# KiCad board FluOpti_V3.0.kicad_pcb (continued)
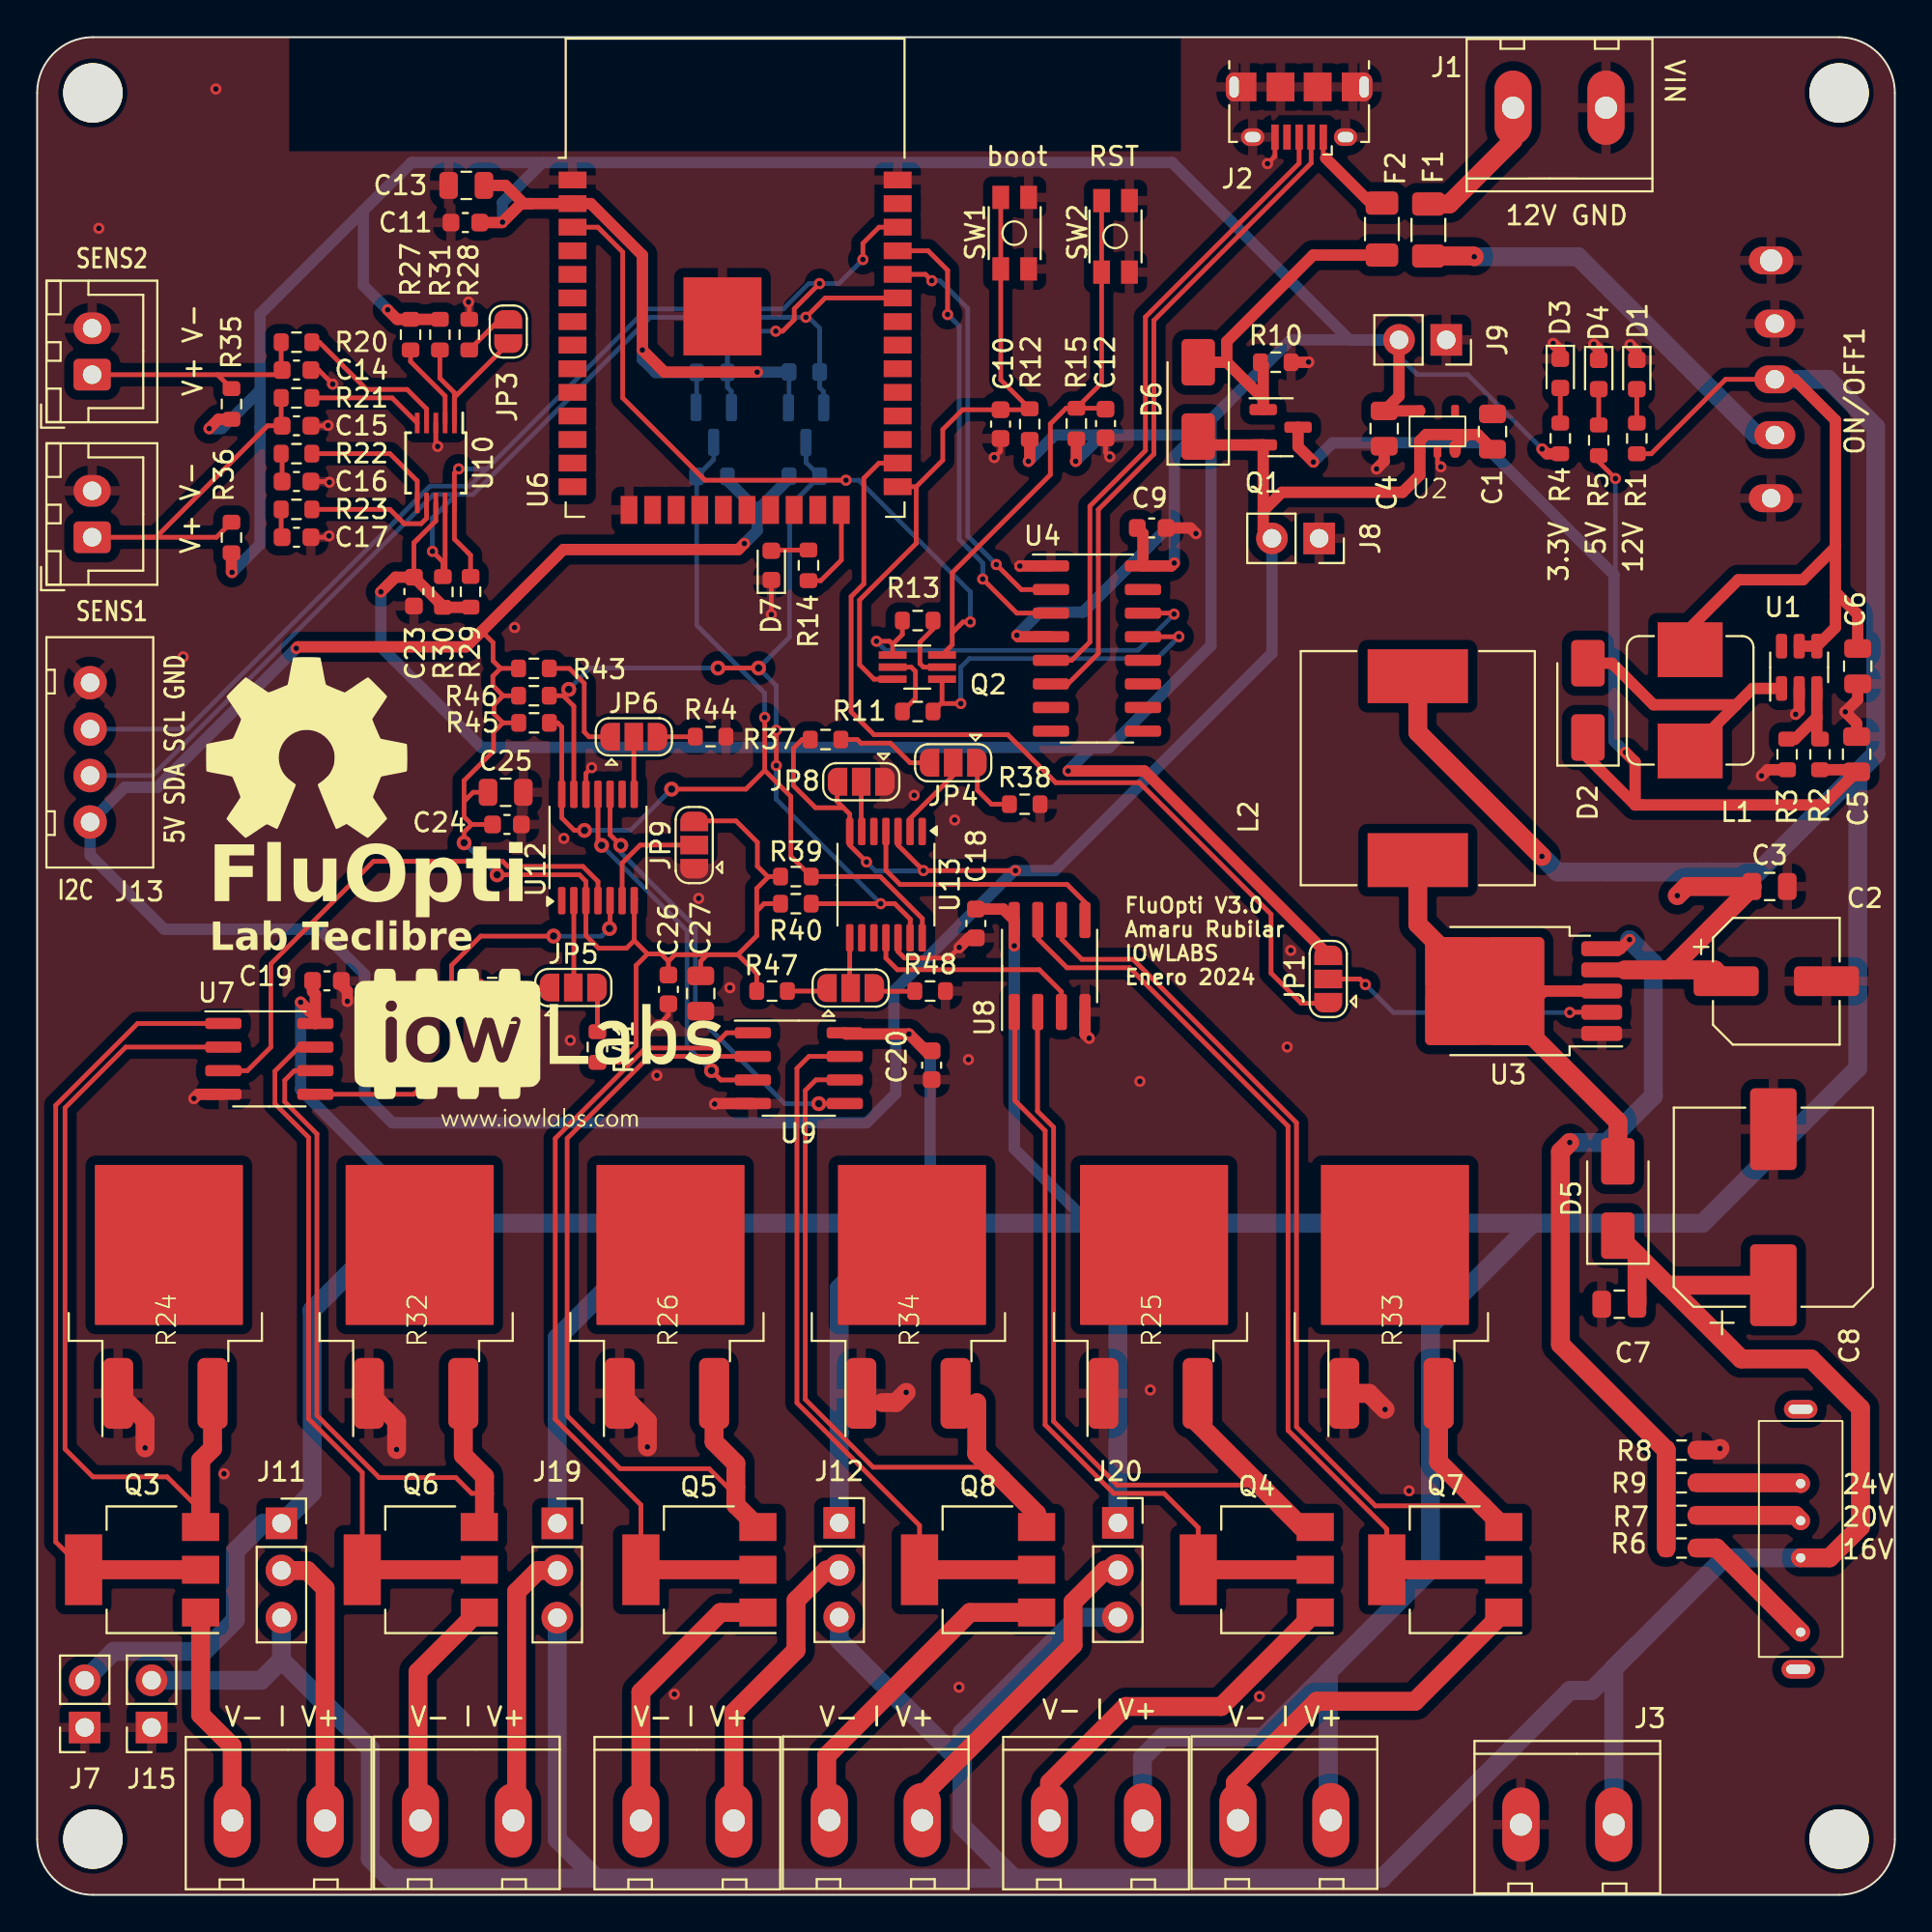
[diagram p0: board, top side]
## Footprints (pads in the part's own frame, mm; a bottom-side part is the same pattern mirrored in y, then rotated)
C_0603_1608Metric
  rrect 0.9x0.95 smd: 1(-0.775,0) 2(0.775,0)
C_0805_2012Metric
  rrect 1x1.45 smd: 1(-0.95,0) 2(0.95,0)
CP_Elec_6.3x7.7
  rrect 3.5x1.6 smd: 1(-2.7,0) 2(2.7,0)
CP_Elec_10x10.5
  rrect 4.4x2.5 smd: 1(-4.2,0) 2(4.2,0)
D2PAK
  rrect 3.81x1.62 smd: 1(-3.94,3.11) 2(-3.94,-1.97)
D_SMA
  rrect 2.5x1.8 smd: 1(-2,0) 2(2,0)
ESP32-WROOM-32
  rect 1.5x0.9 smd: 1(-8.75,8.25) 2(-8.75,6.98) 3(-8.75,5.71) 4(-8.75,4.44) 5(-8.75,3.17) 6(-8.75,1.9) 7(-8.75,0.63) 8(-8.75,-0.64) 9(-8.75,-1.91) 10(-8.75,-3.18) 11(-8.75,-4.45) 12(-8.75,-5.72) 13(-8.75,-6.99) 14(-8.75,-8.26) 25(8.75,-8.26) 26(8.75,-6.99) 27(8.75,-5.72) 28(8.75,-4.45) 29(8.75,-3.18) 30(8.75,-1.91) 31(8.75,-0.64) 32(8.75,0.63) 33(8.75,1.9) 34(8.75,3.17) 35(8.75,4.44) 36(8.75,5.71) 37(8.75,6.98) 38(8.75,8.25)
  rect 0.9x1.5 smd: 15(-5.71,-9.51) 16(-4.44,-9.51) 17(-3.17,-9.51) 18(-1.9,-9.51) 19(-0.63,-9.51) 20(0.64,-9.51) 21(1.91,-9.51) 22(3.18,-9.51) 23(4.45,-9.51) 24(5.72,-9.51)
  rect 1.05x1.05 smd: 39(-2.205,2.435) 39(-2.205,0.91) 39(-2.205,-0.615) 39(-0.68,2.435) 39(-0.68,0.91) 39(-0.68,-0.615) 39(0.845,2.435) 39(0.845,0.91) 39(0.845,-0.615)
  rect 4.2x4.2 smd: 39(-0.68,0.91)
Fuse_1206_3216Metric
  rrect 1.25x1.75 smd: 1(-1.4,0) 2(1.4,0)
JST-XH-4x1-2.5P-TH-V
  round 1.8 hole 1: 1(-3.75,0) 2(-1.25,0) 3(1.25,0) 4(3.75,0)
JST_XH_B2B-XH-A_1x02_P2.50mm_Vertical
  rrect 1.7x2 hole 1: 1(0,0)
  oval 1.7x2 hole 1: 2(2.5,0)
L_12x12mm_H8mm
  rect 2.9x5.4 smd: 1(-4.95,0) 2(4.95,0)
L_Bourns_SRP7028A_7.3x6.6mm
  rect 2.95x3.5 smd: 1(-2.725,0) 2(2.725,0)
LED_0603_1608Metric
  rrect 0.875x0.95 smd: 1(-0.787,0) 2(0.787,0)
MountingHole_3.2mm_M3
  round 3.2 hole 3.2 unplated: (0,0)
PinSocket_1x02_P2.54mm_Vertical
  rect 1.7x1.7 hole 1: 1(0,0)
  oval 1.7x1.7 hole 1: 2(0,-2.54)
PinSocket_1x03_P2.54mm_Vertical
  rect 1.7x1.7 hole 1: 1(0,0)
  oval 1.7x1.7 hole 1: 2(0,-2.54) 3(0,-5.08)
R_0603_1608Metric
  rrect 0.8x0.95 smd: 1(-0.825,0) 2(0.825,0)
SMD_SWITCH
  rect 1.25x0.9 smd: 1(-1.925,-0.75) 2(1.925,-0.75) 3(-1.925,0.75) 4(1.925,0.75)
SOIC-8_3.9x4.9mm_P1.27mm
  rrect 1.95x0.6 smd: 1(-2.475,1.905) 2(-2.475,0.635) 3(-2.475,-0.635) 4(-2.475,-1.905) 5(2.475,-1.905) 6(2.475,-0.635) 7(2.475,0.635) 8(2.475,1.905)
SOIC-16_3.9x9.9mm_P1.27mm
  rrect 1.95x0.6 smd: 1(-2.475,4.445) 2(-2.475,3.175) 3(-2.475,1.905) 4(-2.475,0.635) 5(-2.475,-0.635) 6(-2.475,-1.905) 7(-2.475,-3.175) 8(-2.475,-4.445) 9(2.475,-4.445) 10(2.475,-3.175) 11(2.475,-1.905) 12(2.475,-0.635) 13(2.475,0.635) 14(2.475,1.905) 15(2.475,3.175) 16(2.475,4.445)
SolderJumper-2_P1.3mm_Open_RoundedPad1.0x1.5mm
  custom 1x1.5 smd: 1(-0.65,0) 2(0.65,0)
SolderJumper-3_P1.3mm_Open_RoundedPad1.0x1.5mm
  custom 1.05x1.5 smd: 1(-1.3,0) 3(1.3,0)
  rect 1x1.5 smd: 2(0,0)
SOT-23
  rrect 1.475x0.6 smd: 1(-0.938,0.95) 2(-0.938,-0.95) 3(0.938,0)
SOT-23-6
  rrect 1.325x0.6 smd: 1(-1.137,0.95) 2(-1.137,0) 3(-1.137,-0.95) 4(1.137,-0.95) 5(1.137,0) 6(1.137,0.95)
SOT-25
  rrect 0.42x0.62 smd: 1(0.95,1.1) 2(0,1.1) 3(-0.95,1.1) 5(0.95,-1.1)
  rrect 0.42x0.65 smd: 4(-0.95,-1.1)
SOT-223-3_TabPin2
  rect 2x1.5 smd: 1(-3.15,2.3) 2(-3.15,0) 3(-3.15,-2.3)
  rect 2x3.8 smd: 2(3.15,0)
SOT-363_SC-70-6_Handsoldering
  rect 1.5x0.4 smd: 1(-1.33,0.65) 2(-1.33,0) 3(-1.33,-0.65) 4(1.33,-0.65) 5(1.33,0) 6(1.33,0.65)
SS-12F23-G040
  oval 1.5x2.2 hole 1: 1(-3,0) 2(0,0) 3(3,0)
  oval 1.5x2.4 hole 1.2: 4(-6.4,-0.2)
  oval 1.5x2.4 hole 1: 4(6.4,-0.2)
Switch SP3T SS13D07L2B
  round 1 hole 0.5: 1(-4,0) 2(0,0) 3(2,0) 4(4,0)
  oval 1x1.8 hole 0.5x1.3: 5(-6,0.127) 6(8,0)
Tb-2x1-5p-TH-V
  oval 2x4 hole 1.2: 1(-2.5,0) 2(2.5,0)
TO-252-5_TabPin6
  rrect 2.2x0.8 smd: 1(-5.04,2.28) 2(-5.04,1.14) 3(-5.04,0) 4(-5.04,-1.14) 5(-5.04,-2.28)
  rrect 3.05x2.75 smd: 6(-0.415,1.525) 6(-0.415,-1.525) 6(2.935,1.525) 6(2.935,-1.525)
  rrect 6.4x5.8 smd: 6(1.26,0)
TSSOP-10_3x3mm_P0.5mm
  rect 1.1x0.25 smd: 1(-2.15,1) 2(-2.15,0.5) 3(-2.15,0) 4(-2.15,-0.5) 5(-2.15,-1) 6(2.15,-1) 7(2.15,-0.5) 8(2.15,0) 9(2.15,0.5) 10(2.15,1)
TSSOP-14_4.4x5mm_P0.65mm
  rrect 1.475x0.4 smd: 1(-2.862,1.95) 2(-2.862,1.3) 3(-2.862,0.65) 4(-2.862,0) 5(-2.862,-0.65) 6(-2.862,-1.3) 7(-2.862,-1.95) 8(2.862,-1.95) 9(2.862,-1.3) 10(2.862,-0.65) 11(2.862,0) 12(2.862,0.65) 13(2.862,1.3) 14(2.862,1.95)
USB_Micro-B_Amphenol_10118194_Horizontal
  oval 0.89x1.55 smd: (-3.5,-1.3) (3.5,-1.3)
  oval 1.25x0.95 smd: (-2.5,1.4) (2.5,1.4)
  rect 0.4x1.35 smd: 1(-1.3,1.4) 2(-0.65,1.4) 3(0,1.4) 4(0.65,1.4) 5(1.3,1.4)
  oval 0.89x1.55 hole 0.5x1.15: 6(-3.5,-1.3) 6(3.5,-1.3)
  rect 1.2x1.55 smd: 6(-2.9,-1.3) 6(2.9,-1.3)
  oval 1.25x0.95 hole 0.85x0.55: 6(-2.5,1.4) 6(2.5,1.4)
  rect 1.5x1.55 smd: 6(-1,-1.3) 6(1,-1.3)

## Nets
3.3V: C4.1 C9.1 C11.1 C13.1 C23.1 J9.2 JP1.3 Q9.1 Q10.1 R4.2 R12.1 R15.1 R27.2 R29.2 R30.2 R31.2 R35.2 R36.2 R49.1 R51.1 U2.5 U4.4 U4.16 U6.2 U10.8
5V: C1.1 C24.1 C25.1 C26.1 C27.1 D6.1 J8.2 J13.4 JP8.3 JP9.3 Q1.2 R37.2 R39.2 R40.2 R41.2 R43.2 R45.2 R46.2 R47.2 R50.1 R52.1 U2.1 U2.3 U12.3 U12.7 U13.3 U13.7
5V_IN: C5.1 D2.1 Q1.3 R2.1 R5.1
16V: R6.2 U5.1
20V: R7.2 U5.3
24V: R9.2 U5.4
+12V: C2.1 C3.1 C6.1 C18.1 C19.1 C20.1 J6.1 J7.2 J11.1 J12.1 J18.1 J19.1 J20.1 L1.1 L2.1 ON/OFF1.2 R1.2 U1.4 U1.5 U3.4 U7.8 U8.8 U9.8
GND: C1.2 C2.2 C3.2 C4.2 C5.2 C6.2 C7.2 C8.2 C9.2 C10.2 C11.2 C12.2 C13.2 C14.2 C15.2 C16.2 C17.2 C18.2 C19.2 C20.2 C23.2 C24.2 C25.2 C26.2 C27.2 D1.1 D3.1 D4.1 D7.1 J1.2 J2.5 J2.6 J3.2 J4.2 J7.1 J8.1 J9.1 J13.1 J14.2 J15.1 JP8.1 JP9.1 ON/OFF1.1 ON/OFF1.4 R3.2 R8.1 R10.2 R24.1 R25.1 R26.1 R28.2 R32.1 R33.1 R34.1 R38.2 R42.2 R44.2 R48.2 SW1.1 SW1.2 SW2.1 SW2.2 U1.2 U2.2 U3.1 U4.1 U6.1 U6.15 U6.38 U6.39 U7.4 U8.4 U9.4 U10.3 U12.12 U13.12
VCC_H1: C7.1 C8.1 D5.1 J3.1 J11.3 J12.3 J15.2 J19.3 J20.3 U5.2
VCC_LED_1: J10.1 J11.2
VCC_LED_2: J16.1 J19.2
VCC_LED_3: J5.1 J12.2
VCC_LED_4: J17.1 J20.2
/DTR#: Q2.4 R11.1 U4.13
/FB_5V: R2.2 R3.1 U1.3
/IO0: C10.1 Q2.3 R12.2 SW1.3 SW1.4 U6.25
/IO2: R14.1 U6.24
/RESET: C12.1 Q2.6 R15.2 SW2.3 SW2.4 U6.3
/RST#: Q2.1 R13.2 U4.14
/RX: U4.2 U6.34
/SD_cs: U6.29
/spi_mosi: U6.37
/SW_5V: D2.2 L1.2 U1.1
/TX: U4.3 U6.35
EN_V: JP1.1 U6.26
I_H1: J6.2 Q4.1
I_H2: J18.2 Q7.1
I_LED_1: J10.2 Q3.1
I_LED_2: J16.2 Q6.1
I_LED_3: J5.2 Q5.1
I_LED_4: J17.2 Q8.1
SCL: J13.2 Q9.2 R29.1 R51.2 U6.36 U10.10
SCL_5V: Q9.3 R39.1 R45.1 R52.2 U12.14 U13.14
SDA: J13.3 Q10.2 R30.1 R49.2 U6.33 U10.9
SDA_5V: Q10.3 R40.1 R46.1 R50.2 U12.13 U13.13
SPI_CLK: U6.30
SPI_MISO: U6.31
Temp1: C14.1 J4.1 R20.1 R35.1
Temp2: C15.1 J14.1 R21.1 R36.1
V_H_1: U8.3 U13.11
V_H_2: U8.5 U13.4
V_LED_1: U7.3 U12.4
V_LED_2: U7.5 U12.5
V_LED_3: U9.3 U12.11
V_LED_4: U9.5 U12.10
V_PWR_IN: F1.2 ON/OFF1.3
V_USB: D6.2 F2.2 Q1.1 R10.1
Net-(C16-Pad1): C16.1 R22.1
Net-(C17-Pad1): C17.1 R23.1
Net-(D1-A): D1.2 R1.1
Net-(D3-A): D3.2 R4.1
Net-(D4-A): D4.2 R5.2
Net-(D5-A): D5.2 L2.2 U3.3 U3.6
Net-(D7-A): D7.2 R14.2
Net-(F1-Pad1): F1.1 J1.1
Net-(J2-D+): J2.3 U4.5
Net-(J2-D-): J2.2 U4.6
Net-(J2-VBUS): F2.1 J2.1
Net-(JP1-C): JP1.2 U3.2
Net-(JP3-A): JP3.1 R28.1
Net-(JP3-B): JP3.2 R31.1 U10.1
Net-(JP4-A): JP4.1 R38.1
Net-(JP4-B): JP4.3 R37.1
Net-(JP4-C): JP4.2 U13.2
Net-(JP5-A): JP5.1 R42.1
Net-(JP5-B): JP5.3 R41.1
Net-(JP5-C): JP5.2 U12.2
Net-(JP6-A): JP6.1 R43.1
Net-(JP6-B): JP6.3 R44.1
Net-(JP6-C): JP6.2 U12.8
Net-(JP7-A): JP7.1 R47.1
Net-(JP7-B): JP7.3 R48.1
Net-(JP7-C): JP7.2 U13.8
Net-(JP8-C): JP8.2 U13.6
Net-(JP9-C): JP9.2 U12.6
Net-(Q2A-B1): Q2.5 R13.1
Net-(Q2B-B1): Q2.2 R11.2
Net-(Q3-B): Q3.2 U7.1
Net-(Q3-E): Q3.3 R24.2 U7.2
Net-(Q4-B): Q4.2 U8.1
Net-(Q4-E): Q4.3 R25.2 U8.2
Net-(Q5-B): Q5.2 U9.1
Net-(Q5-E): Q5.3 R26.2 U9.2
Net-(Q6-B): Q6.2 U7.7
Net-(Q6-E): Q6.3 R32.2 U7.6
Net-(Q7-B): Q7.2 U8.7
Net-(Q7-E): Q7.3 R33.2 U8.6
Net-(Q8-B): Q8.2 U9.7
Net-(Q8-E): Q8.3 R34.2 U9.6
Net-(U3-FB): R6.1 R7.1 R8.2 R9.1 U3.5
Net-(U10-AIN0): R20.2 U10.4
Net-(U10-AIN1): R21.2 U10.5
Net-(U10-AIN2): R22.2 U10.6
Net-(U10-AIN3): R23.2 U10.7
Net-(U10-ALERT/RDY): R27.1 U10.2

Pads without a net: J2 4; U1 6; U2 4; U4 7 8 9 10 11 12 15; U5 5 6; U6 4 5 6 7 8 9 10 11 12 13 14 16 17 18 19 20 21 22 23 27 28 32; U12 1 9; U13 1 5 9 10

## Via types
v1: diameter 0.6, hole 0.3, Top to Bottom, 106 vias
v2: diameter 0.8, hole 0.4, Top to Bottom, 13 vias

## Routing (per net, layer and track width the routed paths; a pad name or vN(x,y) marks a point on that pad's centre or on a via; arc(x,y) is an arc through that point)
3.3V: length 304
  Top w0.254: 20.49,72.98 20.28,72.78 C23.1 ; 20.49,72.98 20.3,72.8 ; 20.49,72.98 21.46,73.96 U10.8
  Top w0.61: R35.2 9.76,79.43 v1(9.26,78.93) ; v1(52.74,67.8) 52.81,67.72 54.57,67.72 ; JP1.3 59.6,60.5 v1(55.5,60.5) ; R29.2 23.32,69.31 R30.2 21.84,69.37 C23.1 19.29,70.93 v1(18.5,70.14) ; 26.59,91.04 26.05,91.04 v1(25.05,90.04) 25.03,90.02 C11.1 ; 26.59,91.04 U6.2 29.8,91.04 32.58,88.26 v1(32.58,83.16) 33.77,81.97 v1(38.76,81.97) ; 26.59,91.04 26.19,91.04 25.21,92.02 C13.1 ; R12.1 53.43,77.24 v1(53.36,77.17) ; v1(55.9,77.17) 55.94,77.21 R15.1 ; R36.2 10.46,71.22 v1(10.49,71.19) ; R31.2 R27.2 19.38,84.81 v1(18.87,85.32) ; R4.2 81.26,77.58 v1(81.01,77.83) ; C9.1 59.53,73.28 U4.16 61.06,71.53 v1(61.21,71.69) ; J9.2 73.31,80.68 C4.1 U2.5
  Bottom w0.25: R49.1 40.47,80.09 Q10.1 ; Q9.1 35.5,80.11 R51.1 ; v1(81.01,77.83) 77,81.84 74.29,81.84 73.31,82.82 J9.2
  Bottom w0.61: v1(9.26,78.93) 9.93,78.93 12,81 ; 57.71,61.77 56.77,61.77 v1(55.5,60.5) ; 57.71,61.77 23.91,61.77 18.5,67.18 v1(18.5,70.14) ; 57.71,61.77 63.18,67.24 63.18,79.41 64.11,80.34 ; 58.1,78.58 62.35,78.58 62.71,78.94 ; 58.1,78.58 54.77,78.58 v1(53.36,77.17) ; 58.1,78.58 57.31,78.58 v1(55.9,77.17) ; 27.2,93.25 25.05,91.1 v1(25.05,90.04) ; 27.2,93.25 20.15,93.25 17.56,90.66 ; 27.2,93.25 61.1,93.25 70.65,83.7 J9.2 67.47,83.7 64.11,80.34 ; 12,81 12,85.1 17.56,90.66 ; 12,81 12,72.7 v1(10.49,71.19) ; R51.1 33.29,81.95 32.58,82.66 v1(32.58,83.16) ; 62.71,78.94 61.21,77.44 61.21,73.95 ; 62.71,78.94 64.11,80.34 ; v1(18.87,85.32) 17.56,86.63 17.56,90.66 ; 61.21,73.95 56.3,69.04 53.98,69.04 v1(52.74,67.8) ; 61.21,73.95 v1(61.21,71.69) ; R49.1 40.47,81.97 v1(38.76,81.97)
5V: length 257.4
  Top w0.25: 24.95,66.02 24.54,66.43 24.54,67.41 23.93,68.02 ; 24.95,66.02 25.92,66.02 ; 24.95,66.02 24.53,65.6 24.53,65.1 25.08,64.55 ; 23.39,57.62 22.98,57.21 v2(22.98,56.63) ; 23.39,57.62 22.98,58.03 22.98,58.86 ; 23.39,57.62 C24.1 ; 22.98,58.86 23.47,59.35 C25.1 ; 22.98,58.86 22.98,59.98 24.57,61.57 24.57,62.59 25.07,63.09 ; 32.14,51.37 31.73,50.96 30.22,50.96 29.54,51.64 U12.3 29.54,54.56 29.19,54.91 v2(24.76,54.91) ; 32.14,51.37 U12.7 32.22,53.6 ; 32.14,51.37 32.86,50.65 ; 32.86,50.65 33.59,50.65 33.98,50.26 ; 32.86,50.65 32.24,50.03 32.24,45.7 31.35,44.81 R41.2 ; 25.07,63.09 24.59,63.57 24.59,64.06 25.08,64.55 ; 25.07,63.09 R45.2 ; 39.38,54.81 39.33,54.81 38.77,55.37 38.77,56.66 37.62,57.81 JP9.3 ; 25.08,64.55 25.92,64.55
  Top w0.254: R37.2 41.18,62.19 40.71,61.72 40.71,59.71 41.9,58.52 43.4,58.52 ; 36.07,50.61 35.72,50.26 C27.1 ; 36.07,50.61 34.33,50.61 33.98,50.26 C26.1 ; 36.07,50.61 37.72,50.61 ; v1(44.64,55.6) 43.74,56.5 U13.7 43.74,58.18 43.4,58.52 ; 38.73,52.96 38.73,51.62 37.72,50.61 ; 38.73,52.96 39.13,53.36 R40.2 ; 38.73,52.96 38.73,54.17 39.38,54.81 R39.2 ; R47.2 38.73,49.59 37.72,50.61 ; JP8.3 43.06,58.86 43.4,58.52 ; U13.3 46.34,56.5 v1(47.71,55.14) v1(52.66,55.14)
  Top w0.61: 66,74.5 Q1.2 62.95,78.05 D6.1 ; 66,74.5 66,73.49 J8.2 ; 66,74.5 67,75.5 73.5,75.5 74.43,76.43 U2.1 74.43,78.27 74.77,78.61 76.96,78.61 ; 76.96,78.61 76.33,77.98 U2.3 ; 76.96,78.61 77.55,78.61 C1.1 ; v1(38.07,72.74) 37.75,72.42 28.33,72.42 23.09,67.18 14.03,67.18 v1(13.95,67.1)
  Bottom w0.25: v2(22.98,56.63) 23.58,56.04 23.63,56.04 v2(24.76,54.91)
  Bottom w0.254: v1(44.64,55.6) 45.13,55.11 47.68,55.11 v1(47.71,55.14)
  Bottom w0.61: 38.77,74.53 40.47,76.23 R50.1 ; 38.77,74.53 38.76,74.52 38.76,73.43 v1(38.07,72.74) ; 38.77,74.53 37.16,76.14 R52.1 ; v1(13.95,67.1) 6.47,59.62 4.72,59.62 J13.4 2.85,55.97 6.84,51.98 15.19,51.98 17.63,49.54 17.63,43.05 19.12,41.56 44.65,41.56 46.22,43.13 46.22,45.91 46.12,46 46.12,48.67 52.59,55.14 v1(52.66,55.14) 54.76,55.14 66.47,66.84 J8.2
5V_IN: length 60.8
  Top w0.25: v1(84.96,76.24) 84.06,77.14 R5.1
  Top w0.61: R2.1 97.82,60.56 C5.1 96.16,58.67 86.02,58.67 ; 86.02,58.67 86.02,60.98 v1(85.5,61.5) ; 86.02,58.67 83.48,61.21 D2.1 ; Q1.3 67.88,77.95 v1(68.7,77.13)
  Bottom w0.25: 84.88,71.05 84.96,71.13 v1(84.96,76.24)
  Bottom w0.61: v1(85.5,61.5) 84.88,62.12 84.88,71.05 77.77,78.16 69.73,78.16 v1(68.7,77.13)
16V: length 7.5
  Top w1.016: R6.2 90.4,18.67 U5.1
20V: length 5.7
  Top w1.016: U5.3 94.65,20.43 R7.2
24V: length 5.6
  Top w1.016: R9.2 94.89,22.18 U5.4
+12V: length 416.1
  Top w0.254: ON/OFF1.2 90.89,81.58 86.88,77.58 R1.2
  Top w0.61: U1.5 U1.4 96.8,68.22 96.8,70.13 ; ON/OFF1.2 94.6,81.58 96.8,79.38 96.8,72.67 ; U9.8 43.54,46.34 v1(46.93,46.34) 47.83,45.44 C20.1 ; v1(52.6,51.09) 52.59,51.09 U8.8 52,53.06 50.53,53.06 ; 96.8,70.13 98,68.93 C6.1 ; 96.8,70.13 96.8,72.67 ; v1(14.18,48.05) 14.97,47.25 U7.8 14.97,48.48 14.83,48.63 C19.1 ; U3.4 85.45,49.79 ; 96.8,72.67 96.8,72.54 95.05,70.79 91.57,70.79 88.98,68.2 L1.1
  Top w1.016: v1(81,55.9) 74.32,62.58 L2.1 ; 87.86,49.79 92.31,54.24 C3.1 88.78,54.28 v1(88.29,53.79) ; 87.86,49.79 85.45,49.79 ; 87.86,49.79 90.31,49.79 C2.1
  Bottom w0.61: 48.77,36.15 48.07,36.85 48.07,45.2 v1(46.93,46.34) ; 21.37,36.15 14.18,43.34 v1(14.18,48.05) ; 56.61,36.15 52.6,40.16 v1(52.6,51.09)
  Bottom w1.016: 98.97,61.4 92.63,55.06 90.13,55.06 ; 98.97,61.4 98,60.43 98,44.5 89.65,36.15 80.5,36.15 ; 98.97,61.4 98.97,79.01 96.4,81.58 ON/OFF1.2 ; 69.5,11.99 69.5,12 75,17.5 75,30.65 80.5,36.15 ; 69.5,11.99 69.5,4 ; 69.5,11.99 66,8.49 60.6,8.49 59.5,7.39 J6.1 ; v1(88.29,53.79) 89.56,55.06 90.13,55.06 ; 90.13,55.06 81.84,55.06 v1(81,55.9) ; 48.77,36.15 62.18,36.15 ; 48.77,36.15 34.16,36.15 ; 48.77,36.15 46.68,36.15 43.17,32.64 43.17,24.88 43.17,24.87 J12.1 ; 34.16,36.15 19.48,36.15 14.8,31.47 14.8,21.65 J11.1 12.17,20 10.67,18.5 10.67,14.8 8.98,13.11 4.12,13.11 J7.2 ; 34.16,36.15 28,29.99 J19.1 ; 62.18,36.15 80.5,36.15 ; 62.18,36.15 58.18,32.14 J20.1
GND: length 59.2
  Top w0.25: v1(75.56,76.87) 75.38,77.05 U2.2 ; v1(39.52,68.92) D7.1
  Top w0.254: C12.2 57.51,77.64 v1(57.74,77.41) ; C26.2 33.98,47.36 v1(33.44,46.82) ; v1(29.85,60.68) 29.54,60.37 U12.12 ; v1(15.73,76.04) 15.69,76.08 C16.2 ; v1(51.52,77.37) 51.86,77.71 C10.2 ; v1(15.71,73.15) 15.64,73.08 C17.2 ; J2.5 66.63,93.59 v1(66.23,93.19) ; U13.12 46.34,50.78 46.69,50.43 49.07,50.43 v1(49.64,51) ; C15.2 15.64,79.08 v1(15.66,79.1) ; v1(21.56,77.97) 21.46,78.07 U10.3 ; v1(15.91,81.32) 15.15,82.08 C14.2 ; R28.2 23.26,85.7
  Top w0.61: v1(83.79,83.47) 84.06,83.2 D4.1 ; v1(94.66,63.55) 94.85,63.74 U1.2 ; C4.2 72.51,77.17 v1(72.1,76.76) ; v1(52.9,71.53) 52.91,71.53 U4.1 ; C9.2 62.08,73.58 v1(62.38,73.28) ; v1(56.63,46.11) 56.41,46.33 U8.4 ; v1(49.64,51) 50.16,51.52 C18.2 ; v1(92.82,60.24) 93.15,60.56 R3.2 ; v1(16.7,48.1) 16.7,48.66 16.38,48.98 C19.2 ; v1(8.44,42.87) 8.67,43.09 U7.4 ; R10.2 68.43,82.5 v1(68.44,82.51) ; D3.1 81.99,83.13 v1(81.61,83.51) ; v1(85.75,83.44) 86.07,83.12 86.07,82.65 86.09,82.62 D1.1 ; C6.2 98,64.35 v1(97.33,63.68) 97.94,63.07 C5.2 ; v1(36.47,42.57) 36.5,42.59 U9.4
  Top w1.016: v1(72.56,26.13) 71.69,27 R33.1 ; v1(32.85,24.11) 32.85,25.5 R26.1 ; R32.1 19.35,25.5 v1(19.35,23.97) ; R8.1 90.5,23.94 v1(90.59,24.03) ; 45.5,26.5 46.23,26.5 v1(46.78,27.05) ; v1(5.81,24.06) 5.81,25.55 R24.1
  Bottom w0.61: v1(10.06,22.67) 10.05,22.66
  vias: v1(3.32,89.71) v1(7.86,66.64) v1(9.62,97.21) v1(23.22,85.74) v1(25.7,68.22) v1(28.35,56.87) v1(28.7,46) v1(33.36,44.11) v1(34.3,10.8) v1(35.61,53.64) v1(37.29,48.83) v1(47.21,59.19) v1(49.39,57.86) v1(49.62,11.18) v1(50.13,44.96) v1(59.36,43.79) v1(59.92,27.18) v1(65.8,10.68) v1(67.29,45.64) v1(67.48,50.84) v1(73.85,21.75)
VCC_H1: length 198.1
  Top w1.016: U5.2 96.48,18.14 98.15,19.81 98.15,26.19 95.49,28.85 91.73,28.85 87.76,32.82 87.75,32.82 ; C8.1 87.75,32.82 ; 87.75,32.82 86.12,34.45 ; 86.12,34.45 C7.1 ; 86.12,34.45 D5.1
  Bottom w1.016: U5.2 90.82,18.14 86.09,13.41 ; J3.1 84.87,12.2 86.09,13.41 ; 86.09,13.41 83.67,11 82.5,11 72.39,0.89 52.59,0.89 ; 30.1,0.89 18.99,0.89 17.93,1.95 17.93,7.86 13.15,12.64 ; 30.1,0.89 52.59,0.89 ; 30.1,0.89 28,2.99 J19.3 ; 13.15,12.64 J11.3 ; 13.15,12.64 12.06,11.55 J15.2 ; J12.3 43.17,13.71 49.79,7.09 ; 52.59,0.89 49.79,3.69 49.79,7.09 ; 49.79,7.09 49.79,8.72 56.01,14.94 J20.3
VCC_LED_1: length 15.2
  Top w1.016: J11.2 14.54,17.46 15.5,16.5 J10.1
VCC_LED_2: length 15.1
  Top w1.016: 25.5,4 25.81,4.31 25.81,16.31 26.96,17.46 J19.2
VCC_LED_3: length 16.2
  Top w1.016: J5.1 37.5,9.82 40.85,13.17 40.85,15.85 42.48,17.49 J12.2
VCC_LED_4: length 18.3
  Top w1.016: 47.5,4 47.5,5.19 55.76,13.45 55.76,15.76 57.49,17.49 J20.2
/DTR#: length 19.9
  Top w0.25: v1(49.72,64.13) 48.66,64.13 R11.1 48.71,64.19 Q2.4 ; 59.53,67.72 61.46,67.72 v1(61.46,67.73)
  Bottom w0.25: v1(61.46,67.73) 60.28,66.55 50.18,66.55 49.72,66.09 v1(49.72,64.13)
/FB_5V: length 4.9
  Top w0.61: 95.8,63.39 94.62,62.22 R3.1 ; 95.8,63.39 95.8,62.39 R2.2 ; 95.8,63.39 U1.3
/IO0: length 34.8
  Top w0.25: U6.25 47.32,75.8 48.75,77.23 48.75,78.88 49.81,79.94 53.38,79.94 R12.2 51.87,81.56 SW1.4
  Top w0.254: Q2.3 45.05,65.44 44.27,66.22 44.27,69.7 47.32,72.75 47.32,75.8
/IO2: length 4.9
  Top w0.25: R14.1 42.18,70.74 43.29,71.85 U6.24
/RESET: length 66.9
  Top w0.25: SW2.4 SW2.3 57.3,81.39 R15.2 57.46,80.03 C12.1
  Top w0.254: Q2.6 49.26,67.29 49.26,67.94 ; R15.2 55.38,80.03 54.54,79.18 54.54,76.45 49.26,71.17 49.26,67.94 ; v1(43.54,76.15) 35.95,76.15 31.52,80.58 31.52,88.43 30.18,89.77 U6.3 ; 49.26,67.94 49.84,68.52 v1(50.23,68.52)
  Bottom w0.254: v1(50.23,68.52) 50.23,70.14 44.22,76.15 v1(43.54,76.15)
/RST#: length 21.7
  Top w0.25: 46.05,67.32 45.89,67.48 v1(45.18,67.48) ; 46.05,67.32 Q2.1 ; 46.05,67.32 46.58,67.84 R13.2 ; v1(61.2,68.94) 61.15,69 U4.14
  Bottom w0.25: v1(61.2,68.94) 59.26,67 45.66,67 v1(45.18,67.48)
/RX: length 22.5
  Top w0.254: v1(48.16,86.89) 47.82,87.23 U6.34 ; U4.2 52.97,70.27 v1(51.63,71.61)
  Bottom w0.254: v1(48.16,86.89) 48.6,86.89 50.09,85.4 50.09,73.15 v1(51.63,71.61)
/SW_5V: length 15.2
  Top w0.61: 91.47,64.06 L1.2 ; 91.47,64.06 87.01,64.06 84.77,66.3 D2.2 ; 91.47,64.06 92.35,64.94 U1.1
/TX: length 25
  Top w0.254: U4.3 52.74,69 v1(50.9,70.83) ; U6.35 47.96,88.5 49.01,87.45 v1(49.01,85.07)
  Bottom w0.254: v1(49.01,85.07) 49.64,84.44 49.64,72.96 50.9,71.7 v1(50.9,70.83)
EN_V: length 49
  Top w0.254: JP1.1 68.04,48 66.42,49.62 66.42,52.79 59.34,59.87 54.83,59.87 52.25,62.45 45.05,62.45 43.82,63.68 43.82,69.89 44.5,70.57 44.5,76.25 45.32,77.07 U6.26
I_H1: length 20.1
  Top w1.016: J6.2 54.5,6.04 58.6,10.14 63.74,10.14 Q4.1
I_H2: length 20.3
  Top w1.016: Q7.1 74.17,10.42 68.88,10.42 64.5,6.04 64.5,4
I_LED_1: length 11.9
  Top w1.016: J10.2 10.5,8 8.8,9.7 Q3.1
I_LED_2: length 12.6
  Top w1.016: Q6.1 23.7,15.2 20.5,12 20.5,4
I_LED_3: length 15
  Top w1.016: Q5.1 36.78,15.2 32.5,10.92 J5.2
I_LED_4: length 18
  Top w1.016: Q8.1 50.21,15.2 42.5,7.49 42.5,4
SCL: length 72.8
  Top w0.25: v1(42.11,86.73) 40.75,85.38 40.75,84.8 40.13,84.17 v1(39.76,84.17) ; v1(44.45,88.03) 44.45,88.9 45.32,89.77 U6.36
  Top w0.254: v1(22.69,76.76) 22.46,76.53 U10.10 22.46,72.98 23.33,72.11 R29.1
  Bottom w0.25: v1(44.45,88.03) 43.16,86.73 v1(42.11,86.73) 41.53,86.73 40.17,85.37 32.81,85.37 23.27,75.83 21.15,75.83 8.07,62.75 J13.2 ; Q9.2 37.37,80.94 37.16,81.16 R51.2 37.16,83 38.33,84.17 v1(39.76,84.17)
  Bottom w0.254: v1(22.69,76.76) 24.2,76.76
SCL_5V: length 52.9
  Top w0.25: v2(34.15,59.52) 38.15,59.52 39.17,60.53 ; 39.17,60.53 39.17,63.38 v1(39.16,63.38) ; 39.17,60.53 40.57,59.13 40.57,55.91 R39.1 ; v2(29.46,57.3) 28.91,57.3 28.24,57.97 U12.14 28.24,62.87 28.02,63.09 R45.1
  Top w0.254: R39.1 45.39,54.81 47.65,52.55 47.65,51.03
  Bottom w0.25: v2(34.15,59.52) 31.93,57.3 v2(29.46,57.3) ; v1(39.16,63.38) 39.16,64.69 35.5,68.34 R52.2 36.42,77.26 Q9.3
SDA: length 68.7
  Top w0.25: U6.33 42.42,85.96 v1(41.38,84.92)
  Top w0.254: v1(21.28,72.32) 21.84,71.76 R30.1 21.96,71.08 U10.9
  Bottom w0.25: Q10.2 42.34,80.92 42.12,81.14 R49.2 42.12,84.33 41.53,84.92 v1(41.38,84.92) 33,84.92 23.46,75.38 21.34,75.38 6.21,60.25 J13.3
  Bottom w0.254: v1(21.28,72.32) 21.28,74.12 22.54,75.38 22.62,75.38
SDA_5V: length 53.8
  Top w0.25: v2(38.83,66.04) v2(36.65,66.04) ; 28.32,64.55 28.61,64.84 v2(28.61,64.89) ; 28.32,64.55 R46.1 ; 28.32,64.55 28.89,63.98 U12.13
  Top w0.254: v1(39.79,60.79) v1(39.79,62.69) ; 47,51.03 47,52.52 46.17,53.36 v1(45.41,53.36) R40.1
  Bottom w0.25: R50.2 41.39,77.1 Q10.3 ; v2(28.61,64.89) 29.77,66.04 v2(36.65,66.04)
  Bottom w0.254: v1(39.79,62.69) 39.79,65.08 v2(38.83,66.04) 40.5,67.7 40.5,74.74 R50.2 ; v1(39.79,60.79) 39.79,58.97 v1(45.41,53.36)
Temp1: length 12.9
  Top w0.254: 9.71,81.83 12.94,81.83 C14.1 13.14,82.13 13.14,83.58 ; 9.71,81.83 J4.1 ; 9.71,81.83 R35.1
Temp2: length 19.2
  Top w0.254: J14.1 5.84,73.08 ; 5.84,73.08 6.4,73.08 12.4,79.08 C15.1 13.14,79.13 13.14,80.58 ; 5.84,73.08 9.65,73.08 R36.1
V_H_1: length 12.4
  Top w0.254: U13.11 45.69,50.42 46.31,49.8 53.95,49.8 55.13,48.61 U8.3
V_H_2: length 14.5
  Top w0.254: U8.5 56.41,53.42 55.44,54.39 46.45,54.39 45.69,55.15 U13.4
V_LED_1: length 28.9
  Top w0.25: U12.4 30.19,54.55 29.38,55.36 25.34,55.36 25.06,55.64 18.11,55.64 12.58,50.11 12.58,45.63 11.31,44.36 U7.3
V_LED_2: length 23.9
  Top w0.25: v2(27.8,51.61) 23.88,51.61 22.31,50.04 22.31,45.13 20.28,43.09 U7.5 ; v2(30.81,52.02) 30.84,52.05 U12.5
  Bottom w0.25: v2(30.81,52.02) 30.4,51.61 v2(27.8,51.61)
V_LED_3: length 19.8
  Top w0.254: U9.3 36.81,43.86 v2(36.3,44.37) ; v2(30.39,56.49) 30.19,56.69 U12.11
  Bottom w0.254: v2(36.3,44.37) 34.98,45.69 34.98,51.9 v2(30.39,56.49)
V_LED_4: length 23.8
  Top w0.254: U9.5 42.08,42.59 v2(42.08,42.59) ; v2(31.42,56.49) 30.84,57.07 U12.10
  Bottom w0.254: v2(31.42,56.49) 31.42,56.11 35.43,52.09 35.43,47.4 40.24,42.59 v2(42.08,42.59)
V_PWR_IN: length 22.6
  Top w1.016: v1(77.36,88.18) 77.32,88.22 F1.2
  Bottom w1.016: v1(77.36,88.18) 82.95,88.18 92.55,78.58 ON/OFF1.3
V_USB: length 18.9
  Top w0.61: 64.04,82.5 D6.2 ; 64.04,82.5 66,80.54 Q1.1 66,82.35 R10.1 ; 64.04,82.5 64.04,83.62 68.69,88.27 F2.2
Net-(C16-Pad1): length 1.5
  Top w0.254: C16.1 13.19,77.53 13.14,77.58
Net-(C17-Pad1): length 1.5
  Top w0.254: 13.14,74.58 13.14,73.13 C17.1
Net-(D1-A): length 1.8
  Top w0.254: D1.2 86.11,79.22
Net-(D3-A): length 1.9
  Top w0.254: D3.2 81.99,79.22
Net-(D4-A): length 1.9
  Top w0.254: D4.2 R5.2
Net-(D5-A): length 23.7
  Top w0.61: U3.6 81.12,48.65 U3.3
  Top w1.016: U3.6 74.32,52.25 L2.2 ; D5.2 85.09,41.63 U3.6
Net-(D7-A): length 2
  Top w0.25: 39.52,72.36 39.56,72.39 R14.2
Net-(F1-Pad1): length 7.7
  Top w1.016: F1.1 76.02,91.02 79.45,94.45 J1.1
Net-(J2-D+): length 34.3
  Top w0.254: U4.5 55.69,66.45 56.67,67.44 56.67,74.76 59.66,77.75 59.66,84.94 67.93,93.21 J2.3
Net-(J2-D-): length 35.8
  Top w0.254: J2.2 68.58,93.22 60.11,84.75 60.11,77.56 57.12,74.57 57.12,66.82 55.49,65.19 U4.6
Net-(J2-VBUS): length 5.2
  Top w0.254: 69.36,93.49 69.23,93.62 J2.1
  Top w0.61: 69.36,93.49 71.78,91.07 F2.1
Net-(JP1-C): length 15.5
  Top w0.254: v1(71.5,49) 71.2,49.3 JP1.2 ; v1(82.5,47.5) 82.51,47.51 U3.2
  Bottom w0.254: v1(82.5,47.5) 73,47.5 v1(71.5,49)
Net-(JP3-A): length 2.8
  Top w0.254: R28.1 24.91,84.81 JP3.1
Net-(JP3-B): length 9.7
  Top w0.254: JP3.2 22.46,80.61 U10.1 22.46,80.86 21.68,81.64 R31.1
Net-(JP4-A): length 3.5
  Top w0.254: JP4.1 50.61,59.47 51.37,58.71 R38.1
Net-(JP4-B): length 5.3
  Top w0.254: R37.1 44.15,62.19 44.35,61.99 44.36,62 45.93,62 46.99,60.94 JP4.3
Net-(JP4-C): length 4.7
  Top w0.254: U13.2 46.99,57.93 49.31,60.25 JP4.2
Net-(JP5-A): length 2.2
  Top w0.25: JP5.1 25.32,48.84
Net-(JP5-B): length 2.4
  Top w0.25: JP5.3 R41.1
Net-(JP5-C): length 4.7
  Top w0.25: JP5.2 28.89,48.87 U12.2
Net-(JP6-A): length 6.3
  Top w0.25: R43.1 28.65,66.02 29.45,65.22 29.45,62.6 29.71,62.34 JP6.1
Net-(JP6-B): length 2
  Top w0.25: JP6.3 35.41,62.34 R44.1
Net-(JP6-C): length 3.1
  Top w0.25: JP6.2 32.12,59.26 U12.8
Net-(JP7-A): length 2.1
  Top w0.254: R47.1 42.47,48.65 42.47,48.65
Net-(JP7-B): length 2.2
  Top w0.254: 45.07,48.65 45.08,48.64 47.23,48.64 R48.1
Net-(JP7-C): length 2.9
  Top w0.254: 43.77,48.65 43.74,48.68 U13.8
Net-(JP8-C): length 2.7
  Top w0.254: JP8.2 44.36,57.27 U13.6
Net-(JP9-C): length 6.3
  Top w0.25: U12.6 31.49,55.54 32.46,56.51 JP9.2
Net-(Q2A-B1): length 3.9
  Top w0.25: R13.1 48.22,68.14 47.52,67.43 47.52,66.28 47.71,66.09 Q2.5
Net-(Q2B-B1): length 3.8
  Top w0.25: R11.2 47.28,64.41 47.28,65.86 47.05,66.09 Q2.2
Net-(Q3-B): length 42.8
  Top w0.25: Q3.2 1,19 1,42.5 5.41,46.91 U7.1
  Top w1.016: Q3.2 Q3.2
Net-(Q3-E): length 44.4
  Top w0.25: 8.8,20.7 7,22.5 3,22.5 1.5,24 1.5,42.36 4.77,45.64 U7.2
  Top w1.016: Q3.3 8.8,23.39 9.44,24.03 R24.2
Net-(Q4-B): length 42
  Top w0.254: U8.1 52.63,47.49 52.63,42.76 54.26,41.13 54.26,25.3 57.95,21.61 60.66,21.61 62.5,19.77 Q4.2
  Top w1.016: Q4.2 Q4.2
Net-(Q4-E): length 45
  Top w0.254: 65.54,22.33 65.27,22.06 58.14,22.06 54.71,25.49 54.71,41.32 53.85,42.18 53.85,47.51 U8.2
  Top w1.016: R25.2 62.47,25.4 68.07,19.8 Q4.3
Net-(Q5-B): length 44.4
  Top w0.25: Q5.2 32.5,20.99 27.89,25.6 27.89,40.72 32.76,45.58 36.3,45.58 37.11,46.41 U9.1
  Top w1.016: Q5.2 Q5.2
Net-(Q5-E): length 45.6
  Top w0.25: 37.61,21.94 37.17,21.94 36.17,22.94 31.38,22.94 28.53,25.79 28.53,40.72 32.94,45.14 U9.2
  Top w1.016: Q5.3 37.61,20.99 37.61,23.22 36.44,24.39 R26.2
Net-(Q6-B): length 37.8
  Top w0.25: U7.7 14.09,45.64 12.8,44.34 12.8,42.58 14.61,40.77 14.61,25.62 17.5,22.73 Q6.2
  Top w1.016: Q6.2 Q6.2
Net-(Q6-E): length 39.2
  Top w0.25: 24.08,21.61 23.39,21.61 22.54,22.46 18.41,22.46 15.06,25.81 15.06,40.96 13.33,42.69 13.33,43.85 13.84,44.36 U7.6
  Top w1.016: Q6.3 24.08,20.08 24.08,22.52 22.94,23.66 R32.2
Net-(Q7-B): length 51
  Top w0.254: Q7.2 72.65,19.69 67.34,25 67.34,41.37 58.8,49.91 55.43,49.91 53.87,51.47 U8.7
  Top w1.016: Q7.2 Q7.2
Net-(Q7-E): length 54.6
  Top w0.254: 77.81,20.94 72.04,20.94 67.79,25.19 67.79,41.56 58.99,50.36 56.23,50.36 55.16,51.43 55.16,52.45 U8.6
  Top w1.016: R33.2 75.44,23.31 Q7.3
Net-(Q8-B): length 38.9
  Top w0.25: Q8.2 47.5,19.88 40.9,26.48 40.9,44.49 41.55,45.14 U9.7
  Top w1.016: Q8.2 Q8.2
Net-(Q8-E): length 39.4
  Top w0.25: 51.94,22.38 51.3,23.02 45,23.02 41.35,26.67 41.35,43.3 41.92,43.87 43.09,43.87 43.1,43.86 U9.6
  Top w1.016: 50.58,26.5 50.58,23.74 53.8,20.52 Q8.3
Net-(U3-FB): length 40.6
  Top w0.61: U3.5 85.23,50.93 v1(85.72,51.42)
  Top w1.016: R6.1 R8.2 82,29.64 82,40 v1(82.5,40.5)
  Bottom w1.016: v1(82.5,40.5) 84.5,40.5 87,43 87,50.14 v1(85.72,51.42)
Net-(U10-AIN0): length 8.4
  Top w0.254: U10.4 20.96,79.99 19.92,81.03 17.74,81.03 15.19,83.58 R20.2
Net-(U10-AIN1): length 6.2
  Top w0.254: R21.2 19.11,80.58 U10.5
Net-(U10-AIN2): length 7.5
  Top w0.254: U10.6 20.46,76.11 18.99,77.58 R22.2
Net-(U10-AIN3): length 7.4
  Top w0.254: U10.7 20.96,74.1 20.67,73.81 19.76,73.81 18.99,74.58 R23.2
Net-(U10-ALERT/RDY): length 4.7
  Top w0.254: U10.2 21.96,80.68 20.1,82.54 R27.1

## Copper pours and planes (outline as drawn; the poured copper is in the pictures)
GND on Top, Bottom: 0,100 0,0 100,0 100,100

## Text on the board
F.Silkscreen: FluOpti V3.0 / Amaru Rubilar / IOWLABS / Enero 2024 | I2C | SENS2 | SENS1 | 5V SDA SCL GND | V- I V+ | boot | RST | 12V GND | 16V | 24V | 20V | V+ V- | 3.3V | 5V | 12V | VIN | Lab Teclibre | FluOpti
